# Altium PCB ROS-Robot-Controller.PcbDoc (part 2 of 2)
Units mil, origin at the board's own origin, x right, y up, seen from the top; angles counter-clockwise.
Board outline 1972.2 x 2280.91 mil, 2 copper layers (Top Layer, Bottom Layer); 89 components, 89 nets, 432 pads, 317 vias.
Unrouted connection lines stored in the file: 20.
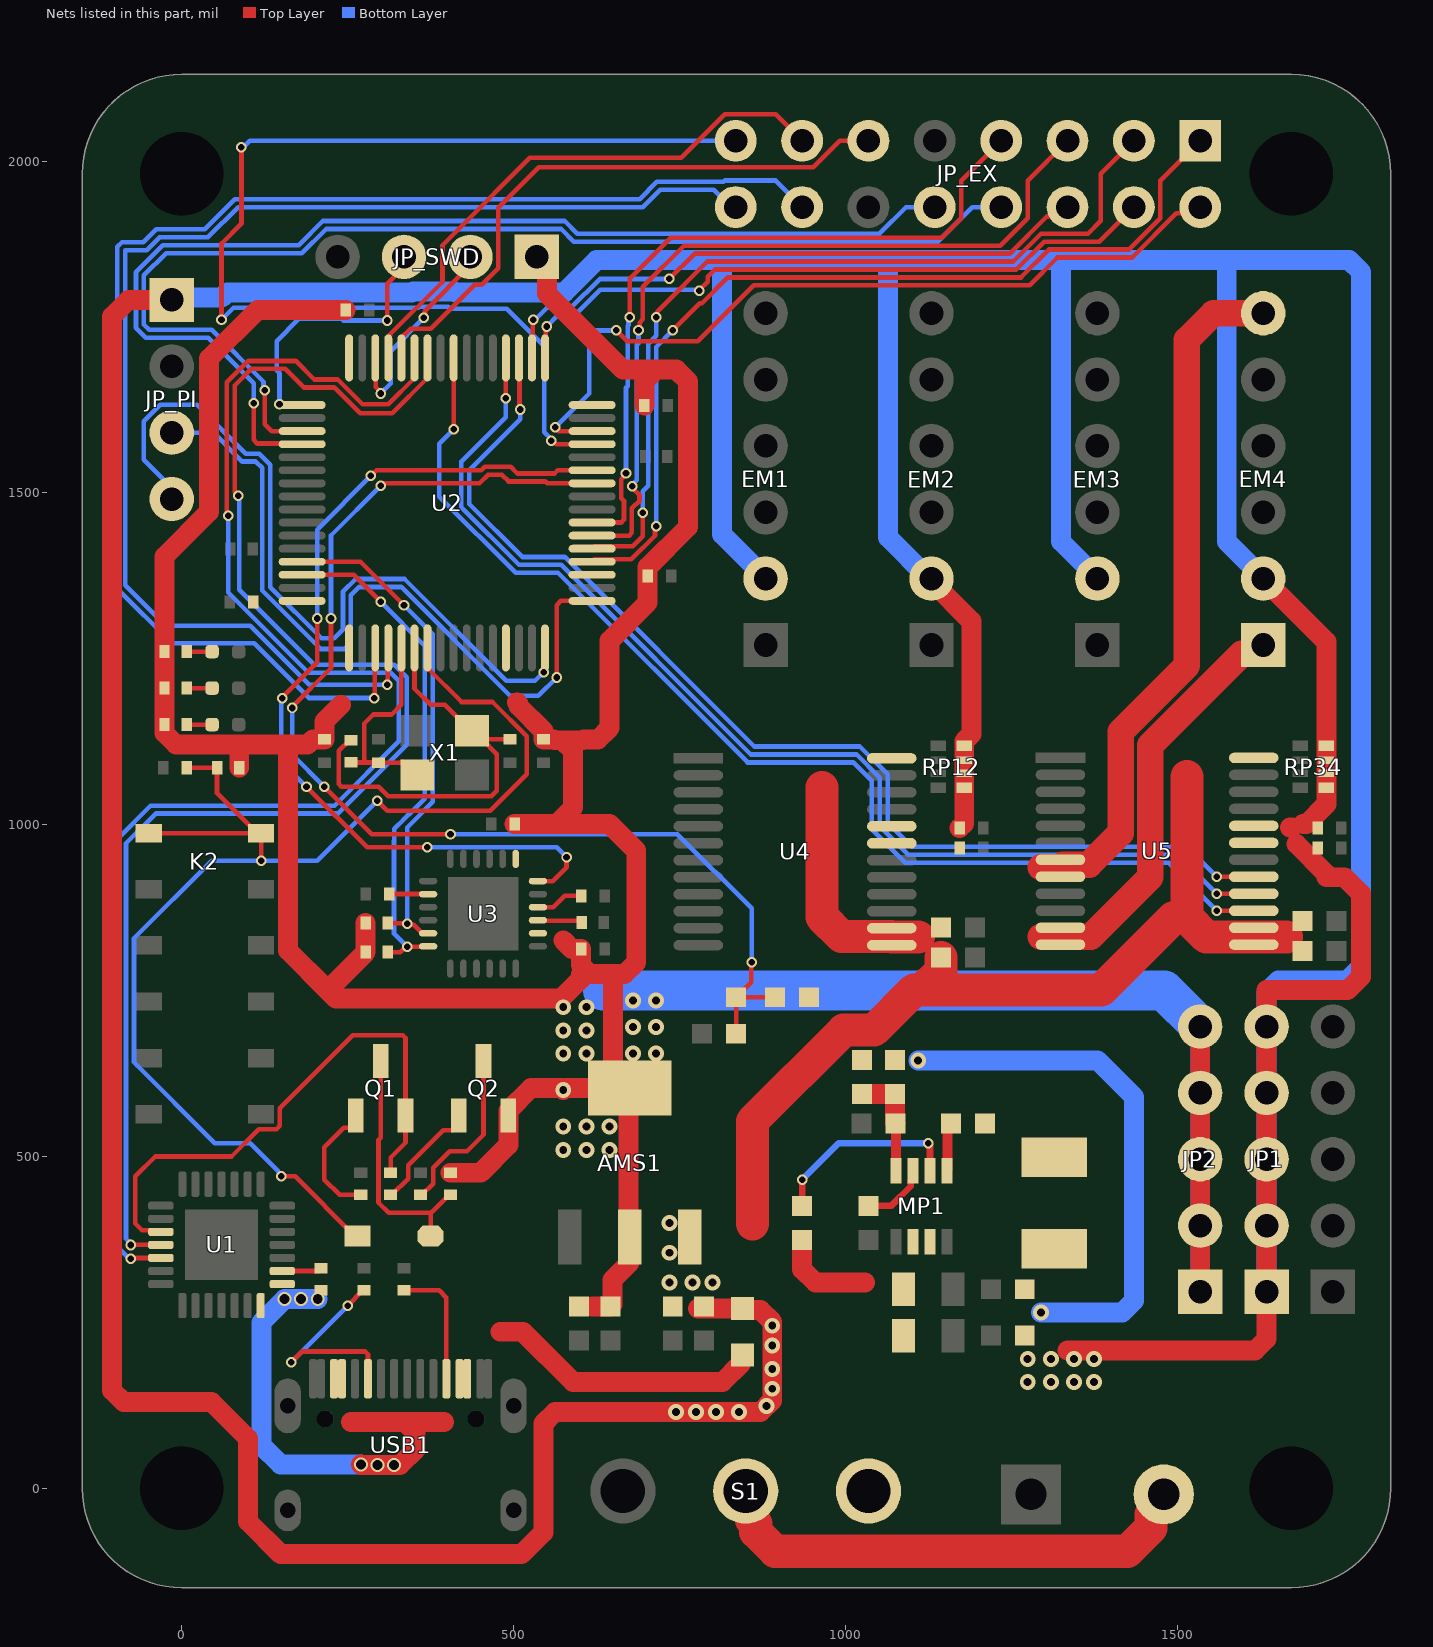
[diagram p2: the nets of this part, all layers, seen from the top]

## Via types
v1: diameter 16, hole 10, Top Layer to Bottom Layer, tented both sides, 178 vias
v2: diameter 24, hole 12, Top Layer to Bottom Layer, tented both sides, 133 vias
v3: diameter 21, hole 15, Top Layer to Bottom Layer, tented both sides, 6 vias

## Nets (pads, with @x,y where several pads share a name; then routed paths per layer and width w, separated by ;. In a path a pad name is that pad's centre, name@x,y a point inside that pad or via, vN(x,y) a via of type N, cw(c..) or ccw(c..) an arc to the next point about the centre after c; other vN are vias at no path point) (continued)
M4IN1: U2.35 U5.17 | length 1710.2
  Top Layer w7: U2.35@508.27,1703.5 509.13,1702.64 509.13,1626.77 v1(510,1625.91) ; v1(1560,921.61) U5.17@1615.67,921.61
  Bottom Layer w7: v1(510,1625.91) 510,1610.91 433.5,1534.41 433.5,1483.38 513.28,1403.6 577.02,1403.6 862.7,1117.91 1022.09,1117.91 1064,1075.99 1064,1002.88 1100.09,966.8 1514.82,966.8 v1(1560,921.61)
M4IN2: U2.36 U5.16 | length 1731.1
  Top Layer w7: v1(488.33,1642.57) 488.58,1642.82 U2.36@488.58,1703.5 ; v1(1560,896.02) U5.16@1615.67,896.02
  Bottom Layer w7: v1(488.33,1642.57) 488.33,1614.24 421.5,1547.41 421.5,1478.41 508.31,1391.6 572.04,1391.6 857.73,1105.91 1017.12,1105.91 1052,1071.02 1052,997.91 1095.12,954.8 1501.23,954.8 v1(1560,896.02)
M4OUT1: EM4.1 U5.11 U5.12 | length 633.7
  Top Layer w40: 1295,830.91 1324.33,830.91 1324.8,831.38 1370.14,831.38 1460,921.24 1460,1120 1597.44,1257.44 1616.54,1257.44 EM4.1@1630,1270.91
M4OUT2: EM4.6 U5.7 U5.8 | length 1057.8
  Top Layer w40: 1295,935.91 1324.33,935.91 1328.35,939.92 1367.47,939.92 1415,987.45 1415,1140 1515,1240 1515,1730.91 1555,1770.91 EM4.6@1630,1770.91
M4PWM: U2.40 U5.15 | length 1746.7
  Top Layer w7: U2.40@409.84,1703.5 409.92,1703.43 409.92,1595.98 v1(410,1595.91) ; v1(1560,870.43) U5.15@1615.67,870.43
  Bottom Layer w7: v1(410,1595.91) 388.28,1574.19 388.28,1494.66 503.34,1379.6 567.07,1379.6 852.76,1093.91 1012.15,1093.91 1040,1066.05 1040,992.94 1090.15,942.8 1487.64,942.8 v1(1560,870.43)
MPU6050_INT: U2.27 U3.12 | length 1388.2
  Top Layer w7: v1(151.5,1190.91) 151.5,1192.41 204,1244.91 v1(204,1310.91) ; v1(188,1057.41) 279.5,965.91 v1(370,965.91) ; v1(285.15,1525.75) 293.61,1534.21 451.5,1534.21 456.7,1539.41 495.59,1539.41 505.59,1529.41 561.83,1529.41 566.64,1534.21 U2.27@618.5,1534.21 ; U3.12@536.77,915.12 559.21,915.12 580,935.91 v1(580,950.91)
  Bottom Layer w7: v1(151.5,1190.91) 150,1189.41 150,1095.41 v1(188,1057.41) ; v1(204,1310.91) 204,1444.6 v1(285.15,1525.75) ; v1(370,965.91) 565,965.91 v1(580,950.91)
MPU6050_SCL: R10.1 U2.61 U3.23 | length 761.7
  Top Layer w7: U2.61@181.5,1396.42 269.49,1396.42 v1(335,1330.91) ; R10.1@310.75,851.93 311.26,851.42 339.49,851.42 341.72,849.18 349.75,849.18 362.56,836.38 U3.23@371.42,836.38
  Bottom Layer w7: v1(335,1330.91) 378.51,1287.39 378.51,1034.42 340,995.91 v1(340,850.91)
MPU6050_SDA: R8.1 U2.62 U3.24 | length 775.2
  Top Layer w7: U2.62@181.5,1376.73 259.17,1376.73 v1(300,1335.91) ; R8.1@310.75,807.95 329.61,807.95 337.56,815.91 v1(340,815.91) 340.39,816.3 371.02,816.3 U3.24@371.42,816.69
  Bottom Layer w7: v1(300,1335.91) 366.51,1269.39 366.51,1039.39 342.03,1014.91 341.29,1014.91 335,1008.61 320.23,993.84 320.23,975.92 320,975.69 320,835.91 v1(340,815.91)
NetC6_2: C6.2 U3.10 | length 72.3
  Top Layer w7: U3.10@536.77,875.75 559.84,875.75 577.05,892.95 C6.2@601.93,892.95
NetC7_1: C7.1 U3.20 | length 58.9
  Top Layer w7: C7.1@312.72,895.9 312.95,895.67 371.18,895.67 U3.20@371.42,895.43
NetC27_1: C27.1 MP1.8 R20.2 R21.1 | length 141.9
  Top Layer w15: MP1.8@1076.61,478.75 R21.1@1076.61,541.02
  Top Layer w30: C27.1@1025,594.41 1040,594.38 R20.2@1060,594.38 ; R20.2@1075,594.41 1075,550.6 R21.1@1075.59,550
NetC30_2: C30.2 MP1.7 | length 101
  Top Layer w10: C30.2@1035,425.59 1069.14,425.59 1098.7,455.15 1098.7,464.5 1102.2,468 MP1.7@1102.2,478.75
NetC33_1: C33.1 L1.2 MP1.3
NetC33_2: C33.2 MP1.5 | length 73.7
  Top Layer w15: MP1.5@1153.39,478.75 1154.39,479.72 1154.39,496.89 1154.39,544.96 C33.2@1159.41,550
NetD2_2: D2.2 Q1.3 R4.2 | length 376.3
  Top Layer w7: Q1.3@299.84,644.29 299.84,528.14 296.5,524.8 296.5,430.73 312.23,415 375.75,415 ; D2.2@375.12,380 375.12,414.37 375.75,415 ; R4.2@404.85,442.13 402.88,442.13 375.75,415
NetLED_BLUE_1: LED_BLUE.1 R16.1 | length 38.3
  Top Layer w7: R16.1@7.56,1150.91 LED_BLUE.1@45.83,1150.91
NetLED_GREEN_1: LED_GREEN.1 R15.1 | length 38.3
  Top Layer w7: R15.1@7.56,1205.91 LED_GREEN.1@45.83,1205.91
NetLED_PW_1: LED_PW.1 R17.1 | length 38.3
  Top Layer w7: R17.1@7.56,1260.91 LED_PW.1@45.83,1260.91
NetMP1_6: MP1.6 R22.1 | length 294.6
  Top Layer w10: R22.1@935,425.59 v1(935,465) ; v1(1125,520) 1125,518.38 1127.8,515.58 MP1.6@1127.8,478.75
  Bottom Layer w10: v1(935,465) 990,520 v1(1125,520)
NetQ1_1: Q1.1 R5.2 | length 186.4
  Top Layer w7: Q1.1@262.44,561.61 262.44,551.71 254.13,543.4 244.23,543.4 215,514.17 215,465 237.87,442.13 R5.2@269.85,442.13
NetQ2_1: Q2.1 R6.2 | length 172
  Top Layer w7: R6.2@314.85,442.13 316.81,442.13 341.5,466.81 341.5,486.99 394.04,539.52 409.13,539.52 417.44,547.83 Q2.1@417.44,561.61
NetQ2_3: Q2.3 R7.1 | length 258
  Top Layer w7: R7.1@359.84,442.13 361.81,442.13 378.83,459.15 378.83,482.81 403.74,507.72 429.94,507.72 454.84,532.62 Q2.3@454.84,644.29
NetR1_1: R1.1 U1.9 | length 66
  Top Layer w7: U1.9@151.5,327.44 206.93,327.44 213.03,333.54 R1.1@215,333.54
NetR2_2: R2.2 USB1.A5 | length 316
  Top Layer w7: v1(165,190) 181.08,206.08 276.69,206.08 280.79,201.98 USB1.A5@280.79,165.12 ; v1(250,275) 250,275.23 273.03,298.27 R2.2@275,298.27
  Bottom Layer w7: v1(165,190) v1(250,275)
NetR3_2: R3.2 USB1.B5 | length 190.7
  Top Layer w7: R3.2@335,298.27 388.05,298.27 398.9,287.43 USB1.B5@398.9,165.12
NetR11_2: R11.2 U3.9 | length 67.4
  Top Layer w7: U3.9@536.77,856.06 537.32,855.52 600.34,855.52 R11.2@602.91,852.95
NetS1_2: S1.2 VIN1.2 | length 746
  Top Layer w50: S1.2@849.96,-4.1 859.23,-13.28 859.23,-47.6 865,-53.38 865,-65.71 894.29,-95 1425.42,-95 1460.62,-59.8 1460.62,-39.45 1485,-15.07 VIN1.2@1485,-14.09
OSCIN: C9.1 R13.2 U2.5 X1.3 | length 348.3
  Top Layer w7: R13.2@260,1094.17 260.36,1093.82 275,1093.82 278.17,1093.82 ; X1.3@330.78,1095.12 332.91,1095.12 333.5,1094.53 X1.3@333.5,1093.46 ; U2.5@331.1,1266.5 331.1,1180.88 316.34,1166.12 288.55,1166.12 275,1152.57 275,1096.99 278.17,1093.82 ; X1.3@355,1075 X1.3@353.03,1075 ; 278.17,1093.82 295.98,1093.82 C9.1@296.34,1093.46 X1.3@333.5,1093.46 ; X1.3@333.5,1093.46 333.5,1092.4 350.91,1075 X1.3@353.03,1075 ; X1.3@333.5,1093.46 334.57,1093.46 X1.3@353.03,1075
OSCOUT: C10.1 R13.1 U2.6 X1.1 | length 648.3
  Top Layer w7: R13.1@255,1127.64 253.03,1127.64 236.66,1111.26 236.66,1061.51 240.76,1057.41 296.83,1057.41 311.36,1042.88 466.79,1042.88 475,1051.09 475,1106.58 X1.1@452.95,1128.62 ; U2.6@350.79,1266.5 350.79,1205.12 375,1180.91 396.73,1180.91 435.71,1141.93 439.65,1141.93 X1.1@452.95,1128.62 ; C10.1@495,1128.62 X1.1@452.95,1128.62
PA4: JP_EX.1 U2.20 | length 1377.9
  Top Layer w7: U2.20@618.5,1396.42 622,1399.92 677.32,1399.92 713.28,1435.88 713.28,1448.28 v1(715,1450) ; v1(740,1745) 780.8,1785.8 784.13,1785.8 823.21,1824.87 1264.87,1824.87 1306.91,1866.91 1427.57,1866.91 1475,1914.34 1475,1970.9 JP_EX.1@1535,2030.91
  Bottom Layer w7: v1(715,1450) 715,1720 v1(740,1745)
PA5: JP_EX.3 U2.21 | length 1298.4
  Top Layer w7: U2.21@618.5,1416.1 622,1419.6 680.03,1419.6 695,1434.57 v1(695,1470) ; v1(715,1765) 716.72,1766.72 716.72,1773.39 724.31,1780.98 792.2,1848.87 1252.97,1848.87 1295,1890.91 1365.91,1890.91 1385,1910 1385,1980.91 JP_EX.3@1435,2030.91
  Bottom Layer w7: v1(695,1470) 695,1502.73 703,1510.73 703,1724.97 715,1736.97 v1(715,1765)
PA6: JP_EX.5 U2.22 | length 1213
  Top Layer w7: U2.22@618.5,1435.79 674.4,1435.79 678.5,1439.89 678.5,1476.83 690,1488.33 690,1496.5 678.94,1507.56 v1(678.94,1510) ; v1(688.5,1745) 690.22,1746.72 690.22,1756.89 695,1761.67 695,1810.91 756.97,1872.87 1233.53,1872.87 1275,1914.34 1275,1970.9 JP_EX.5@1335,2030.91
  Bottom Layer w7: v1(678.94,1510) 678.94,1512.44 686,1519.5 686,1723 688.5,1725.5 v1(688.5,1745)
PA7: JP_EX.7 U2.23 | length 1099.2
  Top Layer w7: U2.23@618.5,1455.47 662.4,1455.47 666.5,1459.57 666.5,1488.01 662.44,1492.07 662.44,1520.5 669.5,1527.56 v1(669.5,1530) ; v1(675,1765) 675,1822.88 736.99,1884.87 1145.53,1884.87 1175,1914.34 1175,1970.9 JP_EX.7@1235,2030.91
  Bottom Layer w7: v1(669.5,1530) 669.5,1658.38 672,1660.88 672,1751.83 673.28,1753.11 673.28,1763.28 v1(675,1765)
PA11: JP_EX.11 U2.44 | length 910.7
  Top Layer w7: U2.44@331.1,1703.5 331.1,1733.72 344.82,1747.44 375.04,1747.44 441.54,1813.94 452.38,1813.94 476.96,1838.52 476.96,1929.84 538.03,1990.91 951.57,1990.91 991.56,2030.91 JP_EX.11@1035,2030.91
PA12: JP_EX.13 U2.45 | length 844
  Top Layer w7: U2.45@311.42,1703.5 311.42,1734.33 313.82,1736.74 313.82,1738.82 393.04,1818.04 393.04,1873.29 417.62,1897.87 524.75,2005 752.53,2005 818.43,2070.9 895,2070.9 JP_EX.13@935,2030.91
PB10: JP_EX.15 U2.29 | length 1751
  Top Layer w7: v1(60,1760.91) 60,1875.91 90,1905.91 v1(90,2020.91) ; v1(557,1578.91) 559.44,1578.91 564.76,1573.58 U2.29@618.5,1573.58
  Bottom Layer w7: v1(60,1760.91) 78.04,1778.94 356.67,1778.94 358.17,1780.44 401.62,1780.44 404.15,1777.92 489.65,1777.92 546.5,1721.07 546.5,1591.84 557,1581.34 v1(557,1578.91) ; v1(90,2020.91) 92.44,2020.91 102.44,2030.91 JP_EX.15@835,2030.91
PB11: JP_EX.2 U2.30 | length 1231.2
  Top Layer w7: v1(563.1,1599) 563.1,1598.07 567.9,1593.27 U2.30@618.5,1593.27 ; v1(655,1745) 671.5,1728.5 777.59,1728.5 811.66,1762.56 861.97,1812.87 1277.87,1812.87 1319.91,1854.91 1432.54,1854.91 1499.07,1921.44 1525.54,1921.44 JP_EX.2@1535,1930.91
  Bottom Layer w7: v1(563.1,1599) 614.05,1649.95 614.05,1734.95 624.09,1745 v1(655,1745)
PB12: JP_EX.4 U2.33 | length 1014
  Top Layer w7: U2.33@547.64,1703.5 548.56,1704.42 548.56,1749.46 v1(550,1750.91) ; v1(780,1805) 780,1805.9 792.63,1818.53 792.63,1825.96 803.54,1836.87 1257.94,1836.87 1299.97,1878.91 1383,1878.91 JP_EX.4@1435,1930.91
  Bottom Layer w7: v1(550,1750.91) 566.04,1766.94 591.45,1766.94 630.92,1806.41 778.59,1806.41 v1(780,1805)
PB13: JP_EX.6 U2.34 | length 933.7
  Top Layer w7: U2.34@527.95,1703.5 528.87,1704.42 528.87,1759.78 v1(530,1760.91) ; v1(735,1822.91) 772.96,1860.87 1247.99,1860.87 1303.82,1916.7 1305.64,1916.7 1319.85,1930.91 JP_EX.6@1335,1930.91
  Bottom Layer w7: v1(530,1760.91) 532.44,1760.91 550.47,1778.94 586.48,1778.94 629.95,1822.41 734.5,1822.41 v1(735,1822.91)
PC10: JP_EX.8 U2.51 | length 1765.7
  Top Layer w7: v1(125,1655) 125,1603.83 135.56,1593.27 U2.51@181.5,1593.27
  Bottom Layer w7: v1(125,1655) 123.28,1656.72 123.28,1667.6 44.97,1745.91 -48.95,1745.91 -56.96,1753.92 -56.96,1827.89 -23.44,1861.41 181.16,1861.41 217.62,1897.87 571.99,1897.87 590.95,1878.91 1139.57,1878.91 1191.56,1930.91 JP_EX.8@1235,1930.91
PC11: JP_EX.10 U2.52 | length 1717.3
  Top Layer w7: v1(108.5,1635) 108.5,1580.1 114.1,1574.5 180.58,1574.5 U2.52@181.5,1573.58
  Bottom Layer w7: v1(108.5,1635) 108.5,1665.41 40,1733.91 -53.92,1733.91 -68.96,1748.95 -68.96,1832.86 -28.41,1873.41 176.19,1873.41 212.65,1909.87 576.96,1909.87 595.92,1890.91 1051.57,1890.91 1091.56,1930.91 JP_EX.10@1135,1930.91
PC14: JP_EX.14 U2.3 | length 2136.6
  Top Layer w7: v1(290,1190.91) 290.87,1191.77 290.87,1265.63 U2.3@291.73,1266.5
  Bottom Layer w7: v1(290,1190.91) 289.78,1191.13 191.73,1191.13 109.33,1273.53 -14.6,1273.53 -97,1355.94 -97,1870.88 -89.97,1877.91 -57.86,1877.91 -38.35,1897.41 34.58,1897.41 80.08,1942.91 690.03,1942.91 716.03,1968.91 816.44,1968.91 818.43,1970.9 895,1970.9 JP_EX.14@935,1930.91
PC15: JP_EX.16 U2.4 | length 1986.8
  Top Layer w7: v1(310,1210.91) 310.71,1211.61 310.71,1265.79 U2.4@311.42,1266.5
  Bottom Layer w7: v1(310,1210.91) 192.12,1210.91 103.03,1300 -24.09,1300 -85,1360.91 -85,1865.91 -52.89,1865.91 -33.38,1885.41 39.55,1885.41 85.05,1930.91 695,1930.91 721,1956.91 801.61,1956.91 827.61,1930.91 JP_EX.16@835,1930.91
RESET: C11.2 D2.1 K2.1 K2.2 R14.1 U2.7 | length 1962.7
  Top Layer w7: K2.1@-49.64,987.32 K2.2@113.74,987.32 ; C11.2@7.71,1085.9 R14.1@53.27,1085.91 53.27,1047.8 K2.2@113.74,987.32 ; K2.2@119.65,987.32 K2.2@113.74,987.32 ; v1(120,945.91) K2.2@120,979.27 ; v1(150,470) 170.94,470 260.94,380 D2.1@264.88,380 ; v1(294.75,1036.15) 310,1020.91 465,1020.91 520,1075.91 520,1133.36 468.36,1185 421.75,1185 U2.7@370.47,1236.28
  Bottom Layer w7: v1(150,470) 150,472.44 145.64,476.79 145.64,477.8 103.44,520 50,520 -71.95,641.95 -71.95,828.96 45,945.91 v1(120,945.91) 204.5,945.91 v1(294.75,1036.15)
RTS: Q1.2 R6.1 U1.24 | length 839.6
  Top Layer w7: U1.24@-31.5,386.5 -34,389 -59.9,389 -70,399.1 -70,470 -40,500 75,500 116.3,541.3 142.85,541.3 147.83,546.28 147.83,572.83 257.75,682.75 333.15,682.75 337.25,678.65 Q1.2@337.25,561.61 337.25,520.94 314.85,498.54 R6.1@314.85,475.59
SWCLK: JP_SWD.3 U2.49 | length 419.8
  Top Layer w7: v1(147.45,1633.56) 148.37,1632.64 U2.49@181.5,1632.64 ; v1(310,1760) 310,1815.29 335,1840.29 JP_SWD.3@335,1855.91
  Bottom Layer w7: v1(147.45,1633.56) 147.45,1680.22 143,1684.67 143,1728.91 176.54,1762.44 240.83,1762.44 243.27,1760 v1(310,1760)
SWDIO: JP_SWD.2 U2.46 | length 318.8
  Top Layer w7: U2.46@291.73,1703.5 292.65,1702.58 292.65,1659.78 300,1652.44 v1(300,1650) ; v1(365,1763.94) 366.72,1765.66 366.72,1774.75 435,1843.03 JP_SWD.2@435,1855.91
  Bottom Layer w7: v1(300,1650) 315,1665 315,1713.94 v1(365,1763.94)
USART1_RX_DEBUG: U1.26 U2.43 | length 2274.1
  Top Layer w7: v1(-77,345.67) -75.55,347.13 U1.26@-31.5,347.13 U1.26@-21.5,347.13 ; v1(70,1465.91) 68,1467.91 68,1655.88 68,1666.94 100.06,1699 111.12,1699 171.91,1699 199.86,1671.04 234.92,1671.04 272.47,1633.5 311,1633.5 350.79,1673.29 U2.43@350.79,1703.5
  Bottom Layer w7: v1(-77,345.67) -79.22,345.67 -95.95,362.4 -95.95,979.96 -47,1028.91 230.23,1028.91 327,1125.68 327,1217.24 315.33,1228.91 191.09,1228.91 70,1350 v1(70,1465.91)
USART1_TX_DEBUG: U1.25 U2.42 | length 2248.3
  Top Layer w7: v1(-76.88,366.67) -76.75,366.81 U1.25@-31.5,366.81 U1.25@-21.5,366.81 ; v1(85,1495.91) 80,1500.91 80,1650.91 80,1661.97 105.03,1687 116.09,1687 156.07,1687 184.02,1659.04 229.95,1659.04 269,1620 317.18,1620 370.47,1673.29 U2.42@370.47,1703.5
  Bottom Layer w7: v1(-76.88,366.67) -76.88,369.11 -83.95,376.17 -83.95,971.96 -39,1016.91 235.2,1016.91 339,1120.71 339,1222.21 320.3,1240.91 199.75,1240.91 86.5,1354.16 86.5,1494.41 v1(85,1495.91)
USART2_RX_PI: JP_PI.3 U2.17 | length 1147.8
  Top Layer w7: v1(565,1221.91) 565,1330.91 571.46,1337.36 U2.17@618.5,1337.36
  Bottom Layer w7: JP_PI.3@-15,1590.91 48.03,1590.91 91.53,1547.41 111.83,1547.41 121.5,1537.74 121.5,1353.1 209.7,1264.91 244.76,1264.91 255,1275.14 255,1345.91 267.5,1358.41 330.83,1358.41 494.78,1194.46 537.55,1194.46 v1(565,1221.91)
USART2_TX_PI: JP_PI.4 U2.16 | length 1178.2
  Top Layer w7: v1(545.61,1229.97) 546.72,1231.08 546.72,1265.58 U2.16@547.64,1266.5
  Bottom Layer w7: JP_PI.4@-15,1490.91 -26.47,1502.37 -26.47,1519.37 -56.96,1549.87 -56.96,1608.29 -32.38,1632.87 23.04,1632.87 96.5,1559.41 116.81,1559.41 133.5,1542.71 133.5,1358.07 210.67,1280.91 230,1280.91 243,1293.91 243,1350.88 262.53,1370.41 335.8,1370.41 489.25,1216.96 532.46,1216.96 545.48,1229.97 v1(545.61,1229.97)
USB_5V: F1.1 R1.2 U1.7 U1.8 USB1.A4 USB1.A9 USB1.B4 USB1.B9 | length 1196.5
  Top Layer w30: 255,100 335.91,100 ; v3(270,35.91) 270.91,35 v3(295,35) v3(320,35) 329.09,35 352.57,58.48 352.57,83.33 335.91,100 ; 395,100 335.91,100 ; 480,235.91 514.09,235.91 590,160 814.93,160 842.5,187.57 842.5,198.41 F1.1@845,200.91
  Bottom Layer w30: v3(205,285) v3(180,285) v3(155,285) 120,250 120,65 149.09,35.91 v3(270,35.91) ; v3@270.91,35 v3(295,35) v3(320,35)
VCC3V3: AMS1.2 AMS1.4 C3.2 C4.2 C5.2 C8.1 C21.2 C22.2 C23.2 C24.2 C25.2 C26.2 JP2.1 JP2.2 JP2.3 JP2.4 JP2.5 JP_SWD.1 Q2.2 R4.1 R8.2 R10.2 R14.2 R15.2 R16.2 R17.2 U2.1 U2.13 U2.19 U2.32 U2.48 U2.64 U3.8 U3.13 | length 6479.4
  Top Layer w30: R14.2@86.73,1085.91 86.73,1117.64 90,1120.91 ; 169.6,1120.91 160,1120.91 ; 170.14,1120.91 189.86,1120.91 197.57,1128.62 C26.2@215,1128.62 215,1155.91 240,1180.91 ; C24.2@247.29,1775.91 114.6,1775.91 41.29,1702.59 41.29,1471.58 -25.91,1404.39 R17.2@-25.91,1260.91 R15.2@-25.91,1205.91 R16.2@-25.91,1150.91 -25.91,1138.37 -8.44,1120.91 90,1120.91 ; R10.2@277.29,851.93 R8.2@277.29,807.95 220,750.66 ; R4.1@404.85,475.59 450.59,475.59 492.25,517.25 492.25,569.02 526.34,603.11 571.89,603.11 v2(575,600) 578.11,603.11 AMS1.4@675,603.11 ; C8.1@501.81,1000.9 565,1000.9 ; 505.19,1184.6 507.5,1182.3 507.5,1179.1 545,1141.59 C25.2@545,1128.62 560.72,1128.62 561.93,1127.41 604.73,1127.41 605.95,1128.62 627.43,1128.62 645,1146.19 645,1277.47 702.29,1334.76 C21.2@702.29,1375 702.29,1388.19 763,1448.91 763,1668.33 745.43,1685.91 665,1685.91 550.28,1800.62 550.28,1840.62 JP_SWD.1@535,1855.91 ; 573.64,1127.41 590,1111.04 590,1025.91 565,1000.9 ; 575,825.91 587.95,812.95 C5.2@601.93,812.95 601.93,788.48 615.41,775 650,775 ; 601.93,775 601.93,767.83 572.51,738.41 232.25,738.41 220,750.66 ; 619,274.21 C4.2@646,274.21 649.18,277.39 649.18,314.18 AMS1.2@675,340 ; AMS1.4@659.15,617.3 650,626.46 650,775 ; AMS1.2@673.35,381.32 AMS1.4@673.35,604.76 ; C22.2@697.29,1631.81 697.29,1668.33 714.86,1685.91 ; JP2.1@1535,295.91 JP2.2@1535,395.91 JP2.3@1535,495.91 JP2.4@1535,595.91 JP2.5@1535,695.91 ; 90,1120.91 160,1120.91 ; 160,1120.91 160,810.66 220,750.66 ; 565,1000.9 645,1000.9 685,960.9 685,792.57 667.43,775 650,775
  Bottom Layer w30: JP2.1@1535,295.91 JP2.2@1535,395.91 JP2.3@1535,495.91 JP2.4@1535,595.91 JP2.5@1535,695.91
  Bottom Layer w60: 635,750 1480.91,750 JP2.5@1535,695.91
  other v2: 575,510 610,510 645,510 575,545 610,545 645,545 575,655 610,655 680,655 715,655 575,690 610,690 680,695 715,695 575,725 610,725 680,735 715,735
VCC5V: AMS1.3 C1.2 C2.2 C17.1 C18.2 C19.1 C20.2 C27.2 C31.2 C32.2 EM1.2 EM2.2 EM3.2 EM4.2 F1.2 JP1.1 JP1.2 JP1.3 JP1.4 JP1.5 JP_PI.1 L1.1 R20.1 RP12.5 RP12.6 RP12.7 RP12.8 RP34.5 RP34.6 RP34.7 RP34.8 U4.19 U4.20 U5.19 U5.20 | length 11704.6
  Top Layer w30: JP_PI.1@-15,1790.91 -80,1790.91 -105,1765.91 -105,147.57 -87.43,130 45,130 100,75 100,-50 149.29,-99.29 512.23,-99.29 545,-66.52 545,97.43 562.57,115 872.43,115 890,132.57 890,250.83 872.43,268.41 847.5,268.41 F1.2@845,270.91 787.01,270.91 C1.2@778.37,270.91 ; EM2.2@1130,1370.91 1130,1366.87 1190,1306.87 1190,1136.47 1179.37,1125.84 RP12.7@1179.37,1097.24 RP12.6@1179.37,1077.56 1179.37,1002.09 C18.2@1172.29,995 ; 1335,207.57 1617.43,207.57 1635,225.15 JP1.2@1635,395.91 JP1.3@1635,495.91 JP1.4@1635,595.91 JP1.5@1635,695.91 1635,750.91 1757.2,750.91 1777.2,770.91 1777.2,896.13 1752.43,920.91 1725,920.91 1725,925.91 1680,970.91 ; EM4.2@1630,1370.91 1725,1275.91 RP34.8@1725,1118.9 RP34.7@1725,1097.24 RP34.6@1725,1077.56 RP34.5@1725,1055.91 1725,1030.91 1695,1000.91 1690,1000.91 ; 1670,995.91 1673.6,995.91
  Bottom Layer w30: JP_PI.1@-15,1790.91 -11.5,1794.41 60.27,1794.41 68.3,1802.44 346.94,1802.44 348.43,1803.94 411.36,1803.94 412.85,1802.44 576.75,1802.44 625.21,1850.91 814.54,1850.91 ; EM1.2@880,1370.91 880,1372.16 814.54,1437.62 814.54,1850.91 ; v2(1110,645) 1154.98,645 1380.01,644.98 1435.01,589.98 1435.01,282.57 1417.43,265 v2(1295,265) ; EM2.2@1130,1370.91 1126.77,1370.91 1064.54,1433.14 1064.54,1850.91 ; EM3.2@1380,1370.91 1380,1371.87 1325,1426.87 1325,1850.91 ; EM4.2@1630,1370.91 1630,1371.87 1575,1426.87 1575,1850.91 ; JP1.1@1635,295.91 JP1.2@1635,395.91 JP1.3@1635,495.91 JP1.4@1635,595.91 1635,747.43 1652.57,765 1756.3,765 1777.2,785.91 1777.2,1833.33 1759.63,1850.91 1575,1850.91 ; 814.54,1850.91 1064.54,1850.91 ; 1064.54,1850.91 1325,1850.91 ; 1325,1850.91 1575,1850.91
  other v2: 745,115 775,115 805,115 840,115 881.21,123.79 890,150 1275,160 1310,160 1345,160 1375,160 890,180 1275,195 1310,195 1345,195 1375,195 890,215 890,245 735,310 770,310 800,310 735,355 735,400
VCC12V: C13.2 C14.2 C15.2 C16.2 C28.2 C29.2 MP1.2 R18.2 R22.2 S1.3 U4.13 U4.14 U4.24 U5.13 U5.14 U5.24 | length 1847.4
  Top Layer w30: R22.2@935,369.41 935,330 955,310 1030,310
  Top Layer w50: 860,398.7 860,553.01 997.58,690.59 1043.33,690.59 1103.65,750.91 1115.12,750.91 ; 965,1056.21 965,860.98 994.26,831.72 1069.18,831.72 1070,830.91 1110,830.91 ; C13.2@1144.41,800 1144.41,780.19 1115.12,750.91 ; 1495,860.2 1385.71,750.91 1115.12,750.91 ; 1515,1072.33 1515,860.2 1544.29,830.91 1615.67,830.91 1665,830.91
VIN_ADC: C12.2 R18.1 R19.2 U2.26 | length 1837.2
  Top Layer w7: v1(166.5,1176.06) 166.5,1177.71 225,1236.21 v1(225,1310.91) ; v1(215,1057.41) 286.5,985.91 v1(405,985.91) ; v1(300,1510.91) 303.62,1514.53 448.79,1514.53 461.67,1527.41 482.59,1527.41 492.59,1517.41 547.97,1517.41 550.84,1514.53 U2.26@618.5,1514.53 ; R19.2@835.59,685 C12.2@835.59,740 ; v1(859.14,793) 858.28,792.14 858.28,762.69 C12.2@835.59,740 ; R18.1@894.41,740 C12.2@835.59,740
  Bottom Layer w7: v1(166.5,1176.06) 166.5,1105.91 v1(215,1057.41) ; v1(225,1310.91) 225,1435.91 v1(300,1510.91) ; v1(405,985.91) 747.12,985.91 859.14,873.89 v1(859.14,793)
pads on no net: S1.1 U1.1 U1.2 U1.6 U1.10 U1.11 U1.12 U1.13 U1.14 U1.15 U1.16 U1.17 U1.18 U1.19 U1.20 U1.21 U1.22 U1.23 U1.27 U3. U3.2 U3.3 U3.4 U3.5 U3.6 U3.7 U3.14 U3.15 U3.16 U3.17 U3.19 U3.21 U3.22 USB1.0 USB1.A8 USB1.B8

## Polygon pours and split planes (outlines as drawn)
VCC12V on Top Layer "VCC12V_L01_P001" (solid, remove dead copper, pour order 1): 1030,850.91 1115,855.91 1125,875.91 1165,875.91 1165,775.91 894.55,605.45 930.37,725 930.37,755.15
GND on Top Layer "GND_L01_P037" (solid, remove dead copper, pour order 37): -270,2290 1935,2290 1935,-280 -270,-280
VCC3V3 on Top Layer "VCC3V3_L01_P029" (solid, remove dead copper, pour order 29): 565,750 600,785 685,785 690,780 747.3,780 745,665 745,480 696.79,431.79 697.4,335.7 656.35,335.7 654.24,482.63 555,485.51 555,745 565,755
VCC5V on Top Layer "VCC5V_L01_P030" (solid, remove dead copper, pour order 30): 1250,395 1395,395 1395.46,135 1250,135
VCC12V on Top Layer "VCC12V_L01_P036" (solid, remove dead copper, pour order 36): 1090.68,395 1115,395 1115,-55 981.29,-55 963.58,-37.29 963.58,61.87 960,105 922.05,287.97 852.92,325.68 835.71,363.76 835,415 883.84,432.84 900.08,389.92 956.43,378.57 960,330 1015,325 1070,325 1090.68,332.94
GND on Top Layer "GND_L01_P035" (solid, pour order 35): 965,565 1041.25,565 1041.25,533.42 1005,530 1005,390 1085,390 1085,350 965,350
VCC5V on Top Layer "VCC5V_L01_P034" (solid, remove dead copper, pour order 34): 1005,660 1005,630 1135,630 1135,660
NetC33_1 on Top Layer "NETC33_1_L01_P033" (solid, remove dead copper, pour order 33): 1195,570 1395,570 1395,440 1227.05,439.15 1202.16,411.92 1135.78,403.66 1135,355 1120,355 1120,405 1117.75,423.09 1175,445 1195,485
GND on Top Layer "GND_L01_P032" (solid, remove dead copper, pour order 32): 1140,395 1235,395 1235,205 1140,205
USB_5V on Top Layer "USB_5V_L01_P008" (solid, remove dead copper, pour order 8): 130,315 220,315 220,255.03 130.69,255.03 110,255.38 110,300
VCC12V on Top Layer "VCC12V_L01_P003" (solid, remove dead copper, pour order 3): 1110,1090.91 995,1090.91 990,1085.91 990,1035.91 940,1035.91 945,1100 962.2,1120.91 1110,1120.91
M3OUT2 on Top Layer "M3OUT2_L01_P025" (solid, remove dead copper, pour order 25): 1291.4,1010.84 1369.5,1010.46 1370.61,965.07 1284.88,964.48 1245,1000 1270,1030
M3OUT1 on Top Layer "M3OUT1_L01_P024" (solid, remove dead copper, pour order 24): 1360,1110 1360,1065 1281.68,1065 1281.68,1110.41 1281.93,1110.41 1285,1155 1325,1155 1335,1115
VCC3V3 on Top Layer "VCC3V3_L01_P021" (solid, remove dead copper, pour order 21): 498.78,936.81 495,990.91 495,1010.91 508.78,1010.91 508.78,961.81 508.78,936.81
VCC3V3 on Top Layer "VCC3V3_L01_P020" (solid, remove dead copper, pour order 20): 525,840.91 580,840.91 590,830.91 570,810.91 550,830.91 525,830.91
VCC3V3 on Top Layer "VCC3V3_L01_P019" (solid, remove dead copper, pour order 19): 261.58,1345.91 261.44,1232.28 255,1180.91 215,1175.91 230,1200.84 243.78,1230.91 243.78,1345.91
VCC3V3 on Top Layer "VCC3V3_L01_P014" (solid, remove dead copper, pour order 14): 585,1385.91 715,1385.91 715,1365.91 665,1365.91 585,1365.91
VCC3V3 on Top Layer "VCC3V3_L01_P018" (solid, remove dead copper, pour order 18): 497.75,1305.91 497.66,1232.28 520,1190.91 495,1180.91 480,1199.24 480,1305.91
VCC3V3 on Top Layer "VCC3V3_L01_P017" (solid, remove dead copper, pour order 17): 260,1325.91 95,1325.91 95,1345.91 135,1345.91 260,1345.91
VCC3V3 on Top Layer "VCC3V3_L01_P016" (solid, remove dead copper, pour order 16): 240,1665.91 240,1790.91 260,1790.91 260,1665.91
VCC3V3 on Top Layer "VCC3V3_L01_P015" (solid, remove dead copper, pour order 15): 585,1641.81 715,1641.81 715,1621.81 665,1621.81 585,1621.81
USB_5V on Top Layer "USB_5V_L01_P012" (solid, remove dead copper, pour order 12): 415,195 435,195 435,135 425,115 410,85 370,85 370,115 399.55,120.91 415,132.5
USB_5V on Top Layer "USB_5V_L01_P011" (solid, remove dead copper, pour order 11): 225,195 225,135 235,115 245,85 305,85 305,115 265,115 250,125 245,135 245,195
VCC5V on Top Layer "VCC5V_L01_P010" (solid, remove dead copper, pour order 10): 801.43,422.5 806.84,307.86 870,285 872.69,255 722.5,255 722.5,317.5 722.5,422.5
USB_5V on Top Layer "USB_5V_L01_P009" (solid, remove dead copper, pour order 9): 435.58,155.33 415.58,155.33 415.58,235.33 430.58,250.33 500.58,250.33 500.58,220.33 435.58,220.33
VCC5V on Top Layer "VCC5V_L01_P007" (solid, remove dead copper, pour order 7): 1575.67,1006.61 1660.67,1006.61 1670.67,1016.61 1725,1016.61 1725,946.61 1685,946.61 1665.67,961.61 1575.67,961.61
VCC5V on Top Layer "VCC5V_L01_P006" (solid, remove dead copper, pour order 6): 1030,1005.91 1115,1005.91 1125,1015.91 1185,1015.91 1185,945.91 1159.13,945.91 1120,960.91 1030,960.91
VCC12V on Top Layer "VCC12V_L01_P005" (solid, remove dead copper, pour order 5): 1575.67,851.61 1660,855.91 1670.67,876.61 1710.67,876.61 1710.67,776.61 1665.67,776.61 1655,800.91 1575.67,806.61
VCC12V on Top Layer "VCC12V_L01_P004" (solid, remove dead copper, pour order 4): 1655,1090.35 1560.35,1090.35 1539.65,1069.65 1539.65,1035.35 1490,1035.35 1490,1100 1510.35,1120.35 1655,1120.35
GND on Bottom Layer "GND_L02_P042" (solid, remove dead copper, pour order 42): -270,2290 1935,2290 1935,-280 -270,-280
VCC5V on Bottom Layer "VCC5V_L02_P041" (solid, remove dead copper, pour order 41): 740,430 800.27,425 810,320 940,260 1010,230 1040,230 1157.58,181.54 1238.38,179.93 1256.34,230 1395,230 1395,135 955,135 885,65 720,65 720,410
VCC3V3 on Bottom Layer "VCC3V3_L02_P039" (solid, remove dead copper, pour order 39): 705,775 840.46,724.16 745.56,700 745.56,615 675.35,485 555,485 555,775

## Keep-outs
Keep-Out Layer:
  the board outline again, w50

## Silkscreen, mask and mechanical layers (free items; w line width, h text height)
Top Overlay:
  drawing of 350 lines, arcs and shapes, not listed
  text "EX / IO" at 684.65,1915 h80
  text "5V" at -120,1831.32 h25 r270
  text "GND" at 190.22,1793.62 h25
  text "CLK" at 303.68,1785 h25
  text "DIO" at 398.68,1775 h25
  text "3V3" at 493.68,1775 h25
  text "树莓派" at 35,1764.88 h80 r270
  text "GND" at -120,1726.32 h25 r270
  text "RX" at -120,1613.83 h25 r270
  text "TX" at -120,1531.32 h25 r270
  text "POWER" at 98.69,1245 h25
  text "GREEN" at 98.69,1190 h25
  text "STM32 / F103 / RCT6" at 591.65,1165 h60
  text "BLUE" at 101.18,1135 h25
  text "X" at 642,1035 h30
  text "RESET" at -140,1024.74 h70 r270
  text "Y" at 607,1000 h30
  text "MPU6050" at 162.07,960 h60
  text "KEY1" at -140,840.82 h70 r270
  text "TB6612FNG" at 1500.67,793.66 h70 r90
  text "TB6612FNG" at 955,792.95 h70 r90
  text "KEY2" at -140,675.99 h70 r270
  text "CP2102" at -140,466.31 h70 r270
  text "3V3" at 1481.41,185 h70
  text "5V" at 1587.6,185 h70
  text "GND" at 1661.86,185 h70
  text "开<------->关" at 594.52,130.9 h90
  text "定位孔 / ▲X=50.3 / ▲Y=42.5" at -136.58,105 h40
  text "边长 / X=58 / Y=50" at 38.6,105 h40
  text "VCC" at 1595,105 h80
Bottom Overlay:
  drawing of 1767 lines, arcs and shapes, not listed
  text "@Github / fan-ziqi" at 186.12,2095 h140 r180
  text "M4" at 1555.93,1895 h140 r180
  text "M2" at 1062.05,1890 h140 r180
  text "M3" at 1312.25,1890 h140 r180
  text "M1" at 807.39,1885 h140 r180
  text "OUT2" at 1653.05,1790 h80 r180
  text "GND" at 1648.05,1690 h80 r180
  text "EB" at 1643.05,1590 h80 r180
  text "EA" at 1643.05,1490 h80 r180
  text "5V" at 1643.05,1390 h80 r180
  text "OUT1" at 1648.05,1295 h80 r180
  text "FanZiqi" at 328.94,1077.09 h220 r180
  text "ROS" at 1214.43,1073.66 h370 r180
  text "Designed by" at 327.68,925.06 h130 r180
  text "ROS机器人四电机驱动控制板" at -8.25,647.67 h120 r180
  text "ROS-Controller" at -17.6,460 h260 r180
  text "Ver 3.0" at 1491.56,213.92 h120 r180